# Altium PCB mppt.PcbDoc (part 3 of 5) (continued)
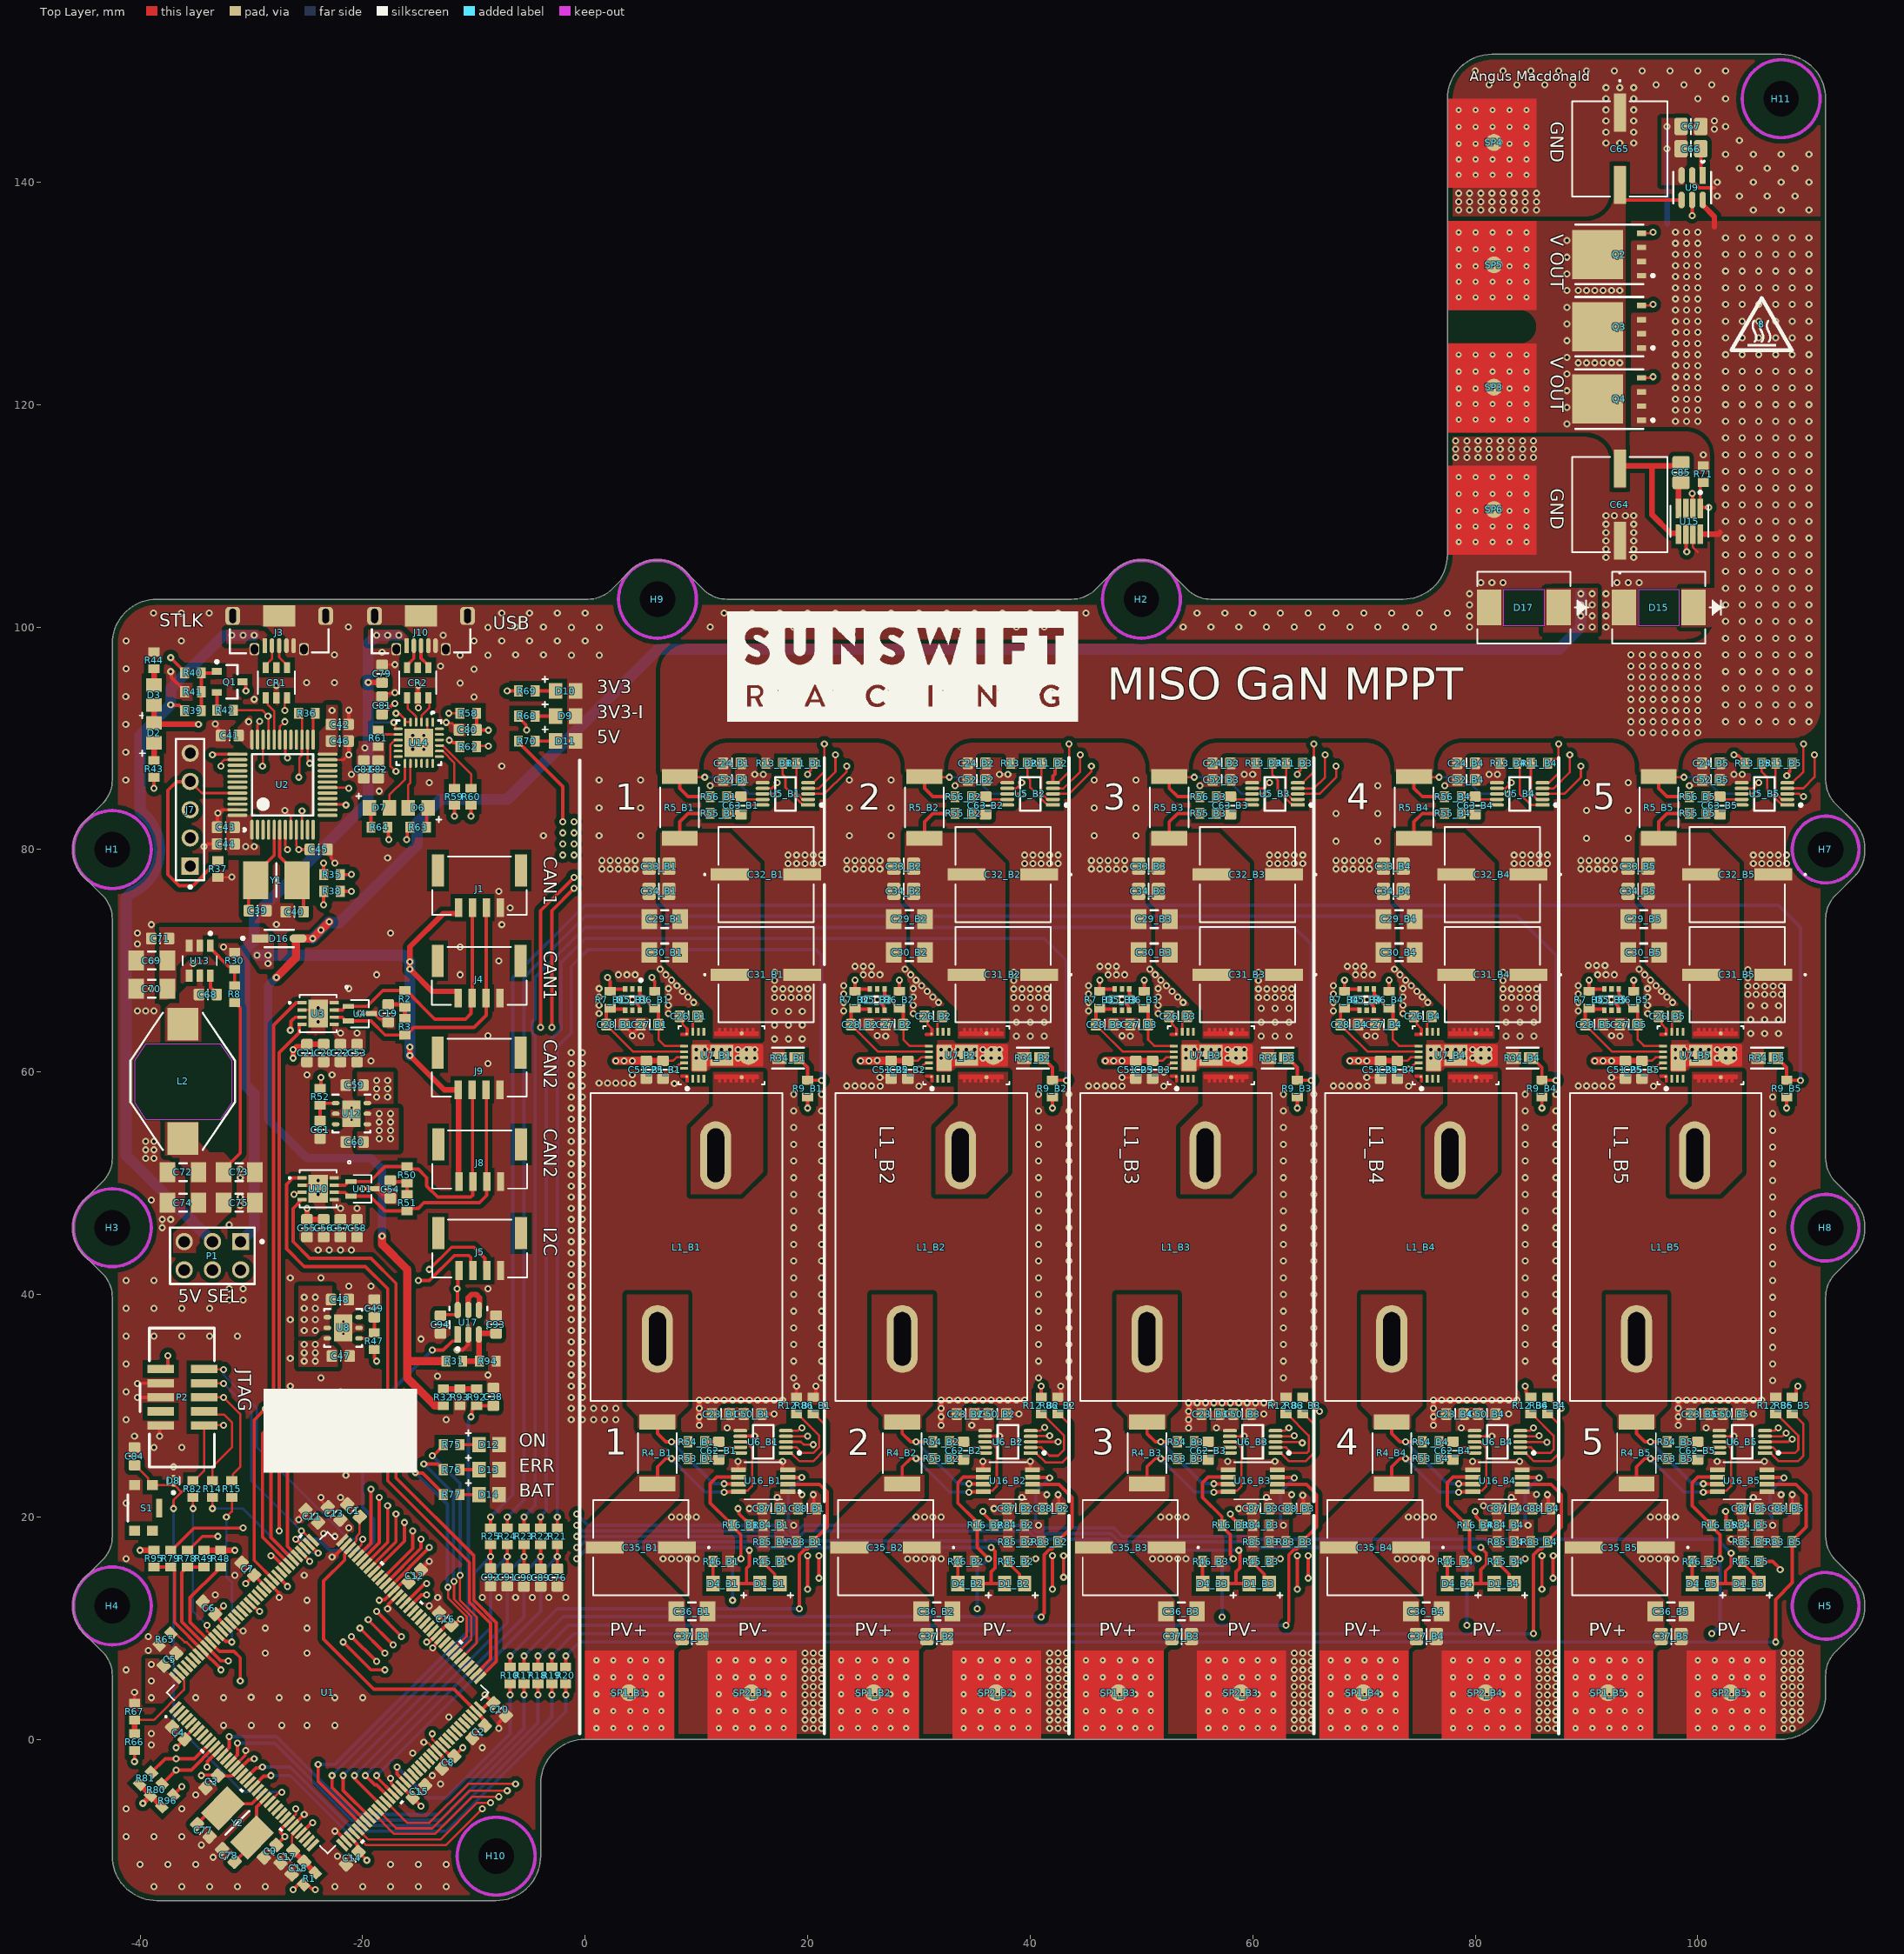
[diagram p0: Top Layer view]
## Nets (pads, with @x,y where several pads share a name; then routed paths per layer and width w, separated by ;. In a path a pad name is that pad's centre, name@x,y a point inside that pad or via, vN(x,y) a via of type N, cw(c..) or ccw(c..) an arc to the next point about the centre after c; other vN are vias at no path point) (continued)
  Top Layer w0.5: v1(10.25,28.25) v1(10.25,30.5) v1(11,30.5) v1(11.75,30.5) v1(12.5,30.5) v1(13.25,30.5) v1(14,30.5) v1(14.75,30.5) v1(15.5,30.5) v1(16.25,30.5) v1(17,30.5) v1(17.75,30.5) ; v1(32,28.25) v1(32,30.5) v1(32.75,30.5) v1(33.5,30.5) v1(34.25,30.5) v1(35,30.5) v1(35.75,30.5) v1(36.5,30.5) v1(37.25,30.5) v1(38,30.5) v1(38.75,30.5) v1(39.5,30.5) ; v1(54.25,28) v1(54.25,30.25) v1(55,30.25) v1(55.75,30.25) v1(56.5,30.25) v1(57.25,30.25) v1(58,30.25) v1(58.75,30.25) v1(59.5,30.25) v1(60.25,30.25) v1(61,30.25) v1(61.75,30.25) ; v1(76.25,28.25) v1(76.25,30.5) v1(77,30.5) v1(77.75,30.5) v1(78.5,30.5) v1(79.25,30.5) v1(80,30.5) v1(80.75,30.5) v1(81.5,30.5) v1(82.25,30.5) v1(83,30.5) v1(83.75,30.5) ; v1(98.25,28.25) v1(98.25,30.5) v1(99,30.5) v1(99.75,30.5) v1(100.5,30.5) v1(101.25,30.5) v1(102,30.5) v1(102.75,30.5) v1(103.5,30.5) v1(104.25,30.5) v1(105,30.5) v1(105.75,30.5)
  other v1: -38.75,-13.25 -36.25,-13.25 -33.75,-13.25 -31.25,-13.25 -28.75,-13.25 -22.5,-13.25 -20,-13.25 -17.5,-13.25 -15,-13.25 -12.5,-13.25 -40,-11.25 -37.5,-11.25 -35,-11.25 -17.5,-11.25 -15,-11.25 -12.5,-11.25 -33.432,-10.602 -22.25,-10.5 -34.5,-9.5 -41.25,-8.75 -38.75,-8.75 -36.25,-8.75 -41.25,-6.25 -36.25,-6.25 -35,-5 -13,-4 -13.75,-3.25 -15.5,-1.25 -9.25,-0.75 -39,-0.5 -39,0.525 19.75,1 20.5,1 21.25,1 41.75,1 42.5,1 43.25,1 63.75,1 64.5,1 65.25,1 85.75,1 86.5,1 87.25,1 107.75,1 108.5,1 -32.5,1.25 -30,1.25 -27.25,1.25 -25,1.25 -22.5,1.25 19.75,1.75 20.5,1.75 21.25,1.75 41.75,1.75 42.5,1.75 43.25,1.75 63.75,1.75 64.5,1.75 65.25,1.75 85.75,1.75 86.5,1.75 87.25,1.75 107.75,1.75 108.5,1.75 109.25,1.75 -12.25,2 19.75,2.5 20.5,2.5 21.25,2.5 41.75,2.5 42.5,2.5 43.25,2.5 63.75,2.5 64.5,2.5 65.25,2.5 85.75,2.5 86.5,2.5 87.25,2.5 107.75,2.5 108.5,2.5 109.25,2.5 19.75,3.25 20.5,3.25 21.25,3.25 41.75,3.25 42.5,3.25 43.25,3.25 63.75,3.25 64.5,3.25 65.25,3.25 85.75,3.25 86.5,3.25 87.25,3.25 107.75,3.25 108.5,3.25 109.25,3.25 -35,3.75 -32.5,3.75 -27.5,3.75 -25,3.75 -22.5,3.75 -20,3.75 -30.022,3.784 19.75,4 20.5,4 21.25,4 41.75,4 42.5,4 43.25,4 63.75,4 64.5,4 65.25,4 85.75,4 86.5,4 87.25,4 107.75,4 108.5,4 109.25,4 19.75,4.75 20.5,4.75 21.25,4.75 41.75,4.75 42.5,4.75 43.25,4.75 63.75,4.75 64.5,4.75 65.25,4.75 85.75,4.75 86.5,4.75 87.25,4.75 107.75,4.75 108.5,4.75 109.25,4.75 19.75,5.5 20.5,5.5 21.25,5.5 41.75,5.5 42.5,5.5 43.25,5.5 63.75,5.5 64.5,5.5 65.25,5.5 85.75,5.5 86.5,5.5 87.25,5.5 107.75,5.5 108.5,5.5 109.25,5.5 -41.25,6.25 19.75,6.25 20.5,6.25 21.25,6.25 41.75,6.25 42.5,6.25 43.25,6.25 63.75,6.25 64.5,6.25 65.25,6.25 85.75,6.25 86.5,6.25 87.25,6.25 107.75,6.25 108.5,6.25 109.25,6.25 19.75,7 20.5,7 21.25,7 41.75,7 42.5,7 43.25,7 63.75,7 64.5,7 65.25,7 85.75,7 86.5,7 87.25,7 107.75,7 108.5,7 109.25,7 -28.75,7.75 -25,7.75 19.75,7.75 20.5,7.75 21.25,7.75 41.75,7.75 42.5,7.75 43.25,7.75 63.75,7.75 64.5,7.75 65.25,7.75 85.75,7.75 86.5,7.75 87.25,7.75 107.75,7.75 108.5,7.75 109.25,7.75 -39.25,8 -39.25,9.25 -28.75,10 -25,10 -14,12 -25,12.5 -13.25,12.75 -9.25,12.75 -7.75,12.75 -6.25,12.75 -4.75,12.75 -3.25,12.75 -1.75,12.75 -33.25,13 -31.5,14.75 -25.25,14.75 -41.25,16.25 7,16.25 7.75,16.25 8.5,16.25 9.25,16.25 10,16.25 29,16.25 29.75,16.25 30.5,16.25 31.25,16.25 32,16.25 51,16.25 51.75,16.25 52.5,16.25 53.25,16.25 54,16.25 73,16.25 73.75,16.25 74.5,16.25 75.25,16.25 76,16.25 95,16.25 95.75,16.25 96.5,16.25 97.25,16.25 98,16.25 7.75,20 8.5,20 9.25,20 10,20 29.75,20 30.5,20 31.25,20 32,20 51.75,20 52.5,20 53.25,20 54,20 74,20 74.75,20 75.5,20 76.25,20 95.75,20 96.5,20 97.25,20 98,20 14.75,20.75 -41.25,21.25 -21.5,23.75 -37,24.5 57.75,25 62,25 79.75,25 84,25 101.75,25 106,25 -38.75,26.25 -36.25,26.25 -19,27 -40.5,27.25 -25.5,28.25 -41.25,28.75 -12.5,28.75 -1.25,28.75 -0.25,28.75 0.75,28.75 1.75,28.75 2.75,28.75 54.25,28.75 10.25,29 32,29 76.25,29 98.25,29 61,29.25 83,29.25 105,29.25 -1.25,29.75 -0.25,29.75 0.75,29.75 1.75,29.75 2.75,29.75 -15.75,30 -1.25,30.75 -0.25,30.75 -41.25,31.25 -22,31.25 -26.5,31.75 -1.25,31.75 -0.25,31.75 106.75,32.25 -23.75,32.5 18.75,32.5 21.25,32.5 40.75,32.5 43.5,32.5 62.75,32.5 65.5,32.5 87.25,32.5 -13.271,32.654 -8.75,32.75 -1.25,32.75 -0.25,32.75 -41.25,33.75 -1.25,33.75 -0.25,33.75 106.75,33.75 18.75,34 21.25,34 40.75,34 43.5,34 62.75,34 65.5,34 84.5,34 87.25,34 -26.5,34.25 -1.25,34.75 -0.25,34.75 106.75,35.25 18.75,35.5 21.25,35.5 40.75,35.5 43.5,35.5 62.75,35.5 65.5,35.5 84.5,35.5 87.25,35.5 -1.25,35.75 -0.25,35.75 -14.75,36 -41.25,36.25 -38.75,36.25 -36.25,36.25 -33.75,36.25 -31.25,36.25 -1.25,36.75 -0.25,36.75 106.75,36.75 18.75,37 21.25,37 40.75,37 43.5,37 62.75,37 65.5,37 84.5,37 87.25,37 -26.5,37.75 -1.25,37.75 -0.25,37.75 106.75,38.25 18.75,38.5 21.25,38.5 40.75,38.5 43.5,38.5 62.75,38.5 65.5,38.5 84.5,38.5 87.25,38.5 -41.25,38.75 -38.75,38.75 -36.25,38.75 -33.75,38.75 -1.25,38.75 -0.25,38.75 -32,39.5 -30.75,39.5 -1.25,39.75 -0.25,39.75 106.75,39.75 18.75,40 21.25,40 40.75,40 43.5,40 62.75,40 65.5,40 84.5,40 87.25,40 -32,40.5 -30.75,40.5 -8.75,40.5 -21.25,40.75 -19.25,40.75 -1.25,40.75 -0.25,40.75 -41.25,41.25 -38.75,41.25 106.75,41.25 -26.5,41.5 -23.75,41.5 18.75,41.5 21.25,41.5 40.75,41.5 43.5,41.5 62.75,41.5 65.5,41.5 84.5,41.5 87.25,41.5 -1.25,41.75 -0.25,41.75 -1.25,42.75 -0.25,42.75 106.75,42.75 18.75,43 21.25,43 40.75,43 43.5,43 62.75,43 65.5,43 84.5,43 87.25,43 -1.25,43.75 -0.25,43.75 -24,44 -23,44 -22,44 -21,44 106.75,44.25 18.75,44.5 21.25,44.5 40.75,44.5 43.5,44.5 62.75,44.5 65.5,44.5 84.5,44.5 87.25,44.5 -1.25,44.75 -0.25,44.75 -1.25,45.75 -0.25,45.75 106.75,45.75 -38,46 18.75,46 21.25,46 40.75,46 43.5,46 62.75,46 65.5,46 84.5,46 87.25,46 -32,46.25 -38,46.75 -37.25,46.75 -1.25,46.75 -0.25,46.75 106.75,47.25 18.75,47.5 21.25,47.5 40.75,47.5 43.5,47.5 62.75,47.5 65.5,47.5 84.5,47.5 87.25,47.5 -1.25,47.75 -0.25,47.75 -31,48 -39,48.5 -31,48.75 -1.25,48.75 -0.25,48.75 106.75,48.75 -24,49 18.75,49 21.25,49 40.75,49 43.5,49 62.75,49 65.5,49 84.5,49 87.25,49 -1.25,49.75 -0.25,49.75 -24,50.25 106.75,50.25 -31,50.5 18.75,50.5 21.25,50.5 40.75,50.5 43.5,50.5 62.75,50.5 65.5,50.5 84.5,50.5 87.25,50.5 -1.25,50.75 -0.25,50.75 -31,51.25 -1.25,51.75 -0.25,51.75 106.75,51.75 18.75,52 21.25,52 40.75,52 43.5,52 62.75,52 65.5,52 84.5,52 87.25,52 -39.5,52.25 -38.75,52.25 -1.25,52.75 -0.25,52.75 -39.5,53 -38.75,53 106.75,53.25 18.75,53.5 21.25,53.5 40.75,53.5 43.5,53.5 62.75,53.5 65.5,53.5 84.5,53.5 87.25,53.5 -39.5,53.75 -38.75,53.75 -1.25,53.75 -0.25,53.75 -1.25,54.75 -0.25,54.75 106.75,54.75 18.75,55 21.25,55 40.75,55 43.5,55 62.75,55 65.5,55 84.5,55 87.25,55 -1.25,55.75 -0.25,55.75 106.75,56.25 18.75,56.5 21.25,56.5 40.75,56.5 43.5,56.5 62.75,56.5 65.5,56.5 84.5,56.5 87.25,56.5 -1.25,56.75 -0.25,56.75 -1.25,57.75 -0.25,57.75 106.75,57.75 18.75,58 21.25,58 40.75,58 43.5,58 62.75,58 65.5,58 84.5,58 87.25,58 26.512,58.716 30.012,58.716 48.262,58.716 52.012,58.716 70.262,58.716 74.012,58.716 92.262,58.716 96.012,58.716 -1.25,58.75 -0.25,58.75 23.5,58.75 24.25,58.75 25,58.75 25.75,58.75 45.25,58.75 46,58.75 46.75,58.75 47.5,58.75 67.25,58.75 68,58.75 68.75,58.75 69.5,58.75 89.25,58.75 90,58.75 90.75,58.75 91.5,58.75 4.262,58.966 8.012,58.966 1.25,59 2,59 2.75,59 3.5,59 -25,59.75 -22.75,59.75 -1.25,59.75 -0.25,59.75 4.25,59.75 -8.75,60.75 -1.25,60.75 -0.25,60.75 -19.25,61 10,61.25 10.75,61.25 11.5,61.25 12.25,61.25 13,61.25 13.75,61.25 14.5,61.25 15.25,61.25 32,61.25 32.75,61.25 33.5,61.25 34.25,61.25 35,61.25 35.75,61.25 36.5,61.25 37.25,61.25 54,61.25 54.75,61.25 55.5,61.25 56.25,61.25 57,61.25 57.75,61.25 58.5,61.25 59.25,61.25 76,61.25 76.75,61.25 77.5,61.25 78.25,61.25 79,61.25 79.75,61.25 80.5,61.25 81.25,61.25 98,61.25 98.75,61.25 99.5,61.25 100.25,61.25 101,61.25 101.75,61.25 102.5,61.25 103.25,61.25 -1.25,61.75 -0.25,61.75 10,62 10.75,62 11.5,62 12.25,62 13,62 13.75,62 14.5,62 15.25,62 32,62 32.75,62 33.5,62 34.25,62 35,62 35.75,62 36.5,62 37.25,62 54,62 54.75,62 55.5,62 56.25,62 57,62 57.75,62 58.5,62 59.25,62 76,62 76.75,62 77.5,62 78.25,62 79,62 79.75,62 80.5,62 81.25,62 98,62 98.75,62 99.5,62 100.25,62 101,62 101.75,62 102.5,62 103.25,62 17.012,62.966 18.262,62.966 19.512,62.966 5.012,63.216 27.012,63.216 38.762,63.216 40.012,63.216 41.262,63.216 49.012,63.216 60.762,63.216 62.012,63.216 63.262,63.216 71.012,63.216 82.762,63.216 84.012,63.216 85.262,63.216 93.012,63.216 48.254,63.241 -8.75,63.25 26.25,63.25 70.25,63.25 92.25,63.25 104.762,63.466 106.012,63.466 107.262,63.466 17.012,64.216 18.262,64.216 19.512,64.216 38.762,64.466 40.012,64.466 41.262,64.466 60.762,64.466 62.012,64.466 63.262,64.466 82.762,64.466 84.012,64.466 85.262,64.466 -24,64.5 104.762,64.716 106.012,64.716 107.262,64.716 1.25,65.25 7.5,65.25 29.5,65.25 51.5,65.25 73.5,65.25 95.5,65.25 17.012,65.466 18.262,65.466 19.512,65.466 -40.25,65.5 -39.5,65.5 -38.75,65.5 23.25,65.5 45.25,65.5 67.25,65.5 89.25,65.5 38.762,65.716 40.012,65.716 41.262,65.716 60.762,65.716 62.012,65.716 63.262,65.716 82.762,65.716 84.012,65.716 85.262,65.716 -24,65.75 104.762,65.966 106.012,65.966 107.262,65.966 1.25,66 7.5,66 29.5,66 51.5,66 73.5,66 95.5,66 9.75,66.25 23.25,66.25 31.75,66.25 45.25,66.25 53.75,66.25 67.25,66.25 75.75,66.25 89.25,66.25 97.75,66.25 17.012,66.716 17.762,66.716 18.512,66.716 19.262,66.716 20.012,66.716 38.512,66.716 39.262,66.716 40.012,66.716 40.762,66.716 41.512,66.716 60.512,66.716 61.262,66.716 62.012,66.716 62.762,66.716 63.512,66.716 82.512,66.716 83.262,66.716 84.012,66.716 84.762,66.716 85.512,66.716 1.25,66.75 7.5,66.75 9.25,66.75 29.5,66.75 31.25,66.75 51.5,66.75 53.25,66.75 73.5,66.75 75.25,66.75 95.5,66.75 97.25,66.75 104.512,66.966 105.262,66.966 106.012,66.966 106.762,66.966 107.512,66.966 23.25,67 45.25,67 67.25,67 89.25,67 8.75,67.25 30.75,67.25 52.75,67.25 74.75,67.25 96.75,67.25 17.012,67.466 17.762,67.466 18.512,67.466 19.262,67.466 20.012,67.466 38.512,67.466 39.262,67.466 40.012,67.466 40.762,67.466 41.512,67.466 60.512,67.466 61.262,67.466 62.012,67.466 62.762,67.466 63.512,67.466 82.512,67.466 83.262,67.466 84.012,67.466 84.762,67.466 85.512,67.466 -39,67.5 -21.25,67.5 1.25,67.5 7.5,67.5 29.5,67.5 51.5,67.5 73.5,67.5 95.5,67.5 104.512,67.716 105.262,67.716 106.012,67.716 106.762,67.716 107.512,67.716 8.25,67.75 23.25,67.75 30.25,67.75 45.25,67.75 52.25,67.75 67.25,67.75 74.25,67.75 89.25,67.75 96.25,67.75 17.012,68.216 38.512,68.216 60.512,68.216 82.512,68.216 7.75,68.25 29.75,68.25 51.75,68.25 73.75,68.25 95.75,68.25 104.512,68.466 -18.75,68.75 -11.25,68.75 3,68.75 3.75,68.75 4.5,68.75 7.25,68.75 25,68.75 25.75,68.75 26.5,68.75 29.25,68.75 47,68.75 47.75,68.75 48.5,68.75 51.25,68.75 69.25,68.75 70,68.75 70.75,68.75 73.25,68.75 91,68.75 91.75,68.75 92.5,68.75 95.25,68.75 17.012,68.966 38.512,68.966 60.512,68.966 82.512,68.966 104.512,69.216 6.75,69.25 28.75,69.25 50.75,69.25 72.75,69.25 94.75,69.25 24.25,69.5 25,69.5 25.75,69.5 46.25,69.5 47,69.5 47.75,69.5 68.5,69.5 69.25,69.5 70,69.5 90.168,69.576 90.918,69.576 91.668,69.576 -35.25,69.75 -39,70 -7.75,70 -32.5,71.25 -11.25,71.25 -40.25,71.5 -40.25,72.5 -17.5,72.5 -39,73.25 -7.5,73.25 -27.75,73.275 -6.75,74.75 -7.75,76.25 1.5,78.25 2.25,78.25 3,78.25 3.75,78.25 4.5,78.25 23.5,78.25 24.25,78.25 25,78.25 25.75,78.25 26.5,78.25 45.5,78.25 46.25,78.25 47,78.25 47.75,78.25 48.5,78.25 67.5,78.25 68.25,78.25 69,78.25 69.75,78.25 70.5,78.25 89.5,78.25 90.25,78.25 91,78.25 91.75,78.25 92.5,78.25 18.25,78.75 19,78.75 19.75,78.75 20.5,78.75 21.25,78.75 39.5,78.75 40.25,78.75 41,78.75 41.75,78.75 42.5,78.75 61.5,78.75 62.25,78.75 63,78.75 63.75,78.75 64.5,78.75 83.5,78.75 84.25,78.75 85,78.75 85.75,78.75 86.5,78.75 105,78.75 105.75,78.75 106.5,78.75 107.25,78.75 108,78.75 1.5,79 2.25,79 3,79 3.75,79 4.5,79 23.5,79 24.25,79 25,79 25.75,79 26.5,79 45.5,79 46.25,79 47,79 47.75,79 48.5,79 67.5,79 68.25,79 69,79 69.75,79 70.5,79 89.5,79 90.25,79 91,79 91.75,79 92.5,79 -17.75,79.25 18.25,79.5 19,79.5 19.75,79.5 20.5,79.5 21.25,79.5 39.5,79.5 40.25,79.5 41,79.5 41.75,79.5 42.5,79.5 61.5,79.5 62.25,79.5 63,79.5 63.75,79.5 64.5,79.5 83.5,79.5 84.25,79.5 85,79.5 85.75,79.5 86.5,79.5 105,79.5 105.75,79.5 106.5,79.5 107.25,79.5 108,79.5 67.5,80.75 71.25,80.75 90,81 93.75,81 -3.75,81.25 1.25,81.25 5,81.25 23.75,81.25 27.5,81.25 45.75,81.25 49.5,81.25 67.5,83.25 71.25,83.25 90,83.5 93.75,83.5 1.25,83.75 5,83.75 23.75,83.75 27.5,83.75 45.75,83.75 49.5,83.75 -18.5,85.25 11.25,85.75 33.25,85.75 55.25,85.75 71.25,85.75 77.25,85.75 99.25,85.75 -14,86 90,86 93.75,86 -41.282,86.255 1.25,86.25 5,86.25 23.75,86.25 27.5,86.25 45.75,86.25 49.5,86.25 -21,86.75 -7.5,87.5 -41.282,88.755 -14.5,89 -15.5,89.025 -15.5,90.25 -41.282,91.255 -15,92.75 -29.75,93.5 -9.988,93.716 -41.282,93.755 -27.75,94.75 -11.238,94.966 -25.032,95.005 -22.532,95.005 -9.988,96.216 -41.25,96.25 -13,96.5 -11.238,97.466 -8.738,97.466 -1.238,97.466 1.262,97.466 -22.532,97.505 -6.25,97.5 -3.75,97.5 -18.25,97.75 -41.25,98.75 -10,98.75 -7.5,98.75 -5,98.75 -2.5,98.75 0,98.75 -36.282,98.755 -12.75,99.25 -8.738,99.966 -1.238,99.966 1.262,99.966 16.262,99.966 18.762,99.966 21.262,99.966 -21.282,100.005 -6.25,100 -3.75,100 11.25,100 13.75,100 23.75,100 26.25,100 28.75,100 31.25,100 33.75,100 36.25,100 38.75,100 41.25,100 43.75,100 53.75,100 56.25,100 58.75,100 61.25,100 63.75,100 66.25,100 68.75,100 71.25,100 73.75,100 76.25,100 79.5,100 91.75,100 79.5,101 91.75,101 -38.782,101.255 -36.282,101.255 -33.782,101.255 -7.5,101.25 -5,101.25 -2.5,101.25 0,101.25 12.5,101.25 15,101.25 17.5,101.25 20,101.25 22.5,101.25 25,101.25 27.5,101.25 30,101.25 32.5,101.25 35,101.25 37.5,101.25 40,101.25 42.5,101.25 45,101.25 55,101.25 57.5,101.25 60,101.25 62.5,101.25 65,101.25 67.5,101.25 70,101.25 72.5,101.25 75,101.25 77.5,101.25 79.5,102 91.75,102 79.5,103 91.75,103 80.5,104 81.5,104 82.5,104 92.75,104 93.75,104 94.75,104 91.75,106.25 94.25,106.25 91.75,107 94.25,107 91.75,107.75 94.25,107.75 91.75,108.5 94.25,108.5 91.75,109.25 94.25,109.25 91.75,110 92.5,110 93.5,110 94.25,110 78.25,115.25 79.25,115.25 80.25,115.25 81.25,115.25 82.25,115.25 83.25,115.25 84.25,115.25 85.25,115.25 100.5,115.5 78.25,116 79.25,116 80.25,116 81.25,116 82.25,116 83.25,116 84.25,116 85.25,116 78.25,116.75 79.25,116.75 80.25,116.75 81.25,116.75 82.25,116.75 83.25,116.75 84.25,116.75 85.25,116.75 78.5,137.5 79.5,137.5 80.5,137.5 81.5,137.5 82.5,137.5 83.5,137.5 84.5,137.5 85.5,137.5 105,137.5 107.5,137.5 110,137.5 78.5,138.25 79.5,138.25 80.5,138.25 81.5,138.25 82.5,138.25 83.5,138.25 84.5,138.25 85.5,138.25 101.75,138.75 103.75,138.75 106.25,138.75 108.75,138.75 78.5,139 79.5,139 80.5,139 81.5,139 82.5,139 83.5,139 84.5,139 85.5,139 101.75,140 105,140 107.5,140 110,140 103.75,141.25 106.25,141.25 108.75,141.25 102.5,142.5 105,142.5 107.5,142.5 110,142.5 91.75,143.5 93,143.5 94.25,143.5 103.75,143.75 91.75,144.5 94.25,144.5 101.5,144.75 102.5,145 91.75,145.5 94.25,145.5 101.5,145.5 91.75,146.5 94.25,146.5 91.75,147.5 94.25,147.5 100,147.5 102.5,147.5 91.75,148.5 93,148.5 94.25,148.5 81.25,148.75 83.75,148.75 86.25,148.75 88.75,148.75 96.25,148.75 98.75,148.75 101.25,148.75 80,150 82.5,150 85,150 87.5,150 90,150 92.5,150 95,150 97.5,150 100,150 102.5,150
  other v2: 12.016,1.016 13.531,1.018 15.055,1.018 16.452,1.018 17.849,1.018 34.016,1.016 35.531,1.018 37.055,1.018 38.452,1.018 39.849,1.018 56.016,1.016 57.531,1.018 59.055,1.018 60.452,1.018 61.849,1.018 78.016,1.016 79.531,1.018 81.055,1.018 82.452,1.018 83.849,1.018 100.016,1.016 101.531,1.018 103.055,1.018 104.452,1.018 105.849,1.018 12.016,2.54 13.531,2.542 15.055,2.542 16.452,2.542 17.849,2.542 34.016,2.54 35.531,2.542 37.055,2.542 38.452,2.542 39.849,2.542 56.016,2.54 57.531,2.542 59.055,2.542 60.452,2.542 61.849,2.542 78.016,2.54 79.531,2.542 81.055,2.542 82.452,2.542 83.849,2.542 100.016,2.54 101.531,2.542 103.055,2.542 104.452,2.542 105.849,2.542 12.016,4.064 13.531,4.066 15.055,4.066 16.452,4.066 17.849,4.066 34.016,4.064 35.531,4.066 37.055,4.066 38.452,4.066 39.849,4.066 56.016,4.064 57.531,4.066 59.055,4.066 60.452,4.066 61.849,4.066 78.016,4.064 79.531,4.066 81.055,4.066 82.452,4.066 83.849,4.066 100.016,4.064 101.531,4.066 103.055,4.066 104.452,4.066 105.849,4.066 12.016,5.588 13.531,5.59 15.055,5.59 16.452,5.59 17.849,5.59 34.016,5.588 35.531,5.59 37.055,5.59 38.452,5.59 39.849,5.59 56.016,5.588 57.531,5.59 59.055,5.59 60.452,5.59 61.849,5.59 78.016,5.588 79.531,5.59 81.055,5.59 82.452,5.59 83.849,5.59 100.016,5.588 101.531,5.59 103.055,5.59 104.452,5.59 105.849,5.59 12.016,7.112 13.531,7.114 15.055,7.114 16.452,7.114 17.849,7.114 34.016,7.112 35.531,7.114 37.055,7.114 38.452,7.114 39.849,7.114 56.016,7.112 57.531,7.114 59.055,7.114 60.452,7.114 61.849,7.114 78.016,7.112 79.531,7.114 81.055,7.114 82.452,7.114 83.849,7.114 100.016,7.112 101.531,7.114 103.055,7.114 104.452,7.114 105.849,7.114 78.518,107.651 80.042,107.651 81.566,107.651 83.09,107.651 84.614,107.651 78.518,109.048 80.042,109.048 81.566,109.048 83.09,109.048 84.614,109.048 78.518,110.445 80.042,110.445 81.566,110.445 83.09,110.445 84.614,110.445 78.518,111.969 80.042,111.969 81.566,111.969 83.09,111.969 84.614,111.969 78.516,113.484 80.04,113.484 81.564,113.484 83.088,113.484 84.612,113.484 78.518,140.651 80.042,140.651 81.566,140.651 83.09,140.651 84.614,140.651 78.518,142.048 80.042,142.048 81.566,142.048 83.09,142.048 84.614,142.048 78.518,143.445 80.042,143.445 81.566,143.445 83.09,143.445 84.614,143.445 78.518,144.969 80.042,144.969 81.566,144.969 83.09,144.969 84.614,144.969 78.516,146.484 80.04,146.484 81.564,146.484 83.088,146.484 84.612,146.484
  other v3: -21.75,36.45 -21.75,37.55 -21,55.7 -21,56.8
HI_1: D5_B1.6 R6_B1.2 U1.97 | length 75.2
  Top Layer w0.3: U1.97@-17.935,14.011 -14.75,17.196 v1(-14.75,18) ; v1(4.25,66.5) 4.85,65.9 4.85,65.6 D5_B1.6@4.9,65.55 ; v1(6,68.5) 6,68.409 6.25,68.159 R6_B1.2@6.25,67.25
  Layer 2 w0.3: v1(-14.75,18) -14.75,18.75 -6,27.5 -6,64.5 -1,69.5 5,69.5 v1(6,68.5) 4.314,66.814 4.314,66.564 v1(4.25,66.5)
HI_2: D5_B2.6 R6_B2.2 U1.100 | length 99.4
  Top Layer w0.3: U1.100@-18.996,15.072 -16.25,17.818 v1(-16.25,19.5) ; v1(26.25,66.5) 26.85,65.9 26.85,65.6 D5_B2.6@26.9,65.55 ; R6_B2.2@28.25,67.25 v1(28.25,68.25)
  Layer 2 w0.3: v1(-16.25,19.5) -16.25,20.75 -8,29 -8,64.5 -1,71.5 25,71.5 v1(28.25,68.25) 26.564,66.564 26.314,66.564 v1(26.25,66.5)
HI_3: D5_B3.6 R6_B3.2 U1.102 | length 123.8
  Top Layer w0.3: U1.102@-19.703,15.779 -17.75,17.732 v1(-17.75,21) ; v1(48.25,66.5) 48.85,65.9 48.85,65.6 D5_B3.6@48.9,65.55 ; R6_B3.2@50.25,67.25 v1(50.25,68.25)
  Layer 2 w0.3: v1(-17.75,21) -17.75,22.5 -10.25,30 -10.25,64.25 -1,73.5 45,73.5 v1(50.25,68.25) 48.564,66.564 48.314,66.564 v1(48.25,66.5)
HI_4: D5_B4.6 R6_B4.2 U1.104 | length 148.3
  Top Layer w0.3: U1.104@-20.41,16.486 -19.25,17.646 v1(-19.25,22.5) ; v1(70.25,66.5) 70.85,65.9 70.85,65.6 D5_B4.6@70.9,65.55 ; R6_B4.2@72.25,67.25 v1(72.25,68.25)
  Layer 2 w0.3: v1(-19.25,22.5) -19.25,25 -12.25,32 -12.25,64.25 -1,75.5 65,75.5 v1(72.25,68.25) 70.564,66.564 70.314,66.564 v1(70.25,66.5)
HI_5: D5_B5.6 R6_B5.2 U1.92 | length 175.7
  Top Layer w0.3: U1.92@-16.167,12.243 -14.475,13.936 -14.314,13.936 v1(-14.25,14) ; v1(-4,64) -4,74.5 v1(-1,77.5) ; v1(92.25,66.5) 92.85,65.9 92.85,65.6 D5_B5.6@92.9,65.55 ; R6_B5.2@94.25,67.25 v1(94.25,68.25)
  Layer 2 w0.3: v1(-14.25,14) -13,15.25 -13,17.75 -4,26.75 v1(-4,64) ; v1(-1,77.5) 85,77.5 v1(94.25,68.25) 92.564,66.564 92.314,66.564 v1(92.25,66.5)
HI_IN_B1: C27_B1.2 D5_B1.1 R6_B1.1 U7_B1.12 | length 7.9
  Top Layer w0.203: C27_B1.2@6.6,64.25 6.6,62.9 7.152,62.348 8.877,62.348 U7_B1.12@8.9,62.325
  Top Layer w0.3: D5_B1.1@4.9,67.45 4.918,67.432 4.918,66.982 6.15,65.75 6.35,65.75 6.6,65.5 C27_B1.2@6.6,64.25
HI_IN_B2: C27_B2.2 D5_B2.1 R6_B2.1 U7_B2.12 | length 7.9
  Top Layer w0.203: C27_B2.2@28.6,64.25 28.6,62.9 29.152,62.348 30.877,62.348 U7_B2.12@30.9,62.325
  Top Layer w0.3: D5_B2.1@26.9,67.45 26.918,67.432 26.918,66.982 28.15,65.75 28.35,65.75 28.6,65.5 C27_B2.2@28.6,64.25
HI_IN_B3: C27_B3.2 D5_B3.1 R6_B3.1 U7_B3.12 | length 7.9
  Top Layer w0.203: C27_B3.2@50.6,64.25 50.6,62.9 51.152,62.348 52.877,62.348 U7_B3.12@52.9,62.325
  Top Layer w0.3: D5_B3.1@48.9,67.45 48.918,67.432 48.918,66.982 50.15,65.75 50.35,65.75 50.6,65.5 C27_B3.2@50.6,64.25
HI_IN_B4: C27_B4.2 D5_B4.1 R6_B4.1 U7_B4.12 | length 7.9
  Top Layer w0.203: C27_B4.2@72.6,64.25 72.6,62.9 73.152,62.348 74.877,62.348 U7_B4.12@74.9,62.325
  Top Layer w0.3: D5_B4.1@70.9,67.45 70.918,67.432 70.918,66.982 72.15,65.75 72.35,65.75 72.6,65.5 C27_B4.2@72.6,64.25
HI_IN_B5: C27_B5.2 D5_B5.1 R6_B5.1 U7_B5.12 | length 7.9
  Top Layer w0.203: C27_B5.2@94.6,64.25 94.6,62.9 95.152,62.348 96.877,62.348 U7_B5.12@96.9,62.325
  Top Layer w0.3: D5_B5.1@92.9,67.45 92.918,67.432 92.918,66.982 94.15,65.75 94.35,65.75 94.6,65.5 C27_B5.2@94.6,64.25
I_IND_1: R10.1 R83_B1.2 U16_B1.2 | length 44.2
  Top Layer w0.3: R10.1@-6.75,6.5 v1(-6.75,7.5) ; U16_B1.2@18.217,22.926 21.074,22.926 21.75,22.25 21.75,19.1 20.5,17.85 R83_B1.2@20.5,17.75 20.5,17.65 19.945,17.094 19.754,17.094 19.25,16.591 v1(19.25,11.75)
  Bottom Layer w0.3: v1(-6.75,7.5) -2.5,11.75 -1,11.75 v1(19.25,11.75)
I_IND_2: R17.1 R83_B2.2 U16_B2.2 | length 65
  Top Layer w0.3: R17.1@-5.5,6.5 v1(-5.5,7.5) ; U16_B2.2@40.217,22.926 40.218,22.925 42.584,22.925 43.75,21.759 43.75,19.1 42.5,17.85 R83_B2.2@42.5,17.75 42.5,17.65 41.945,17.094 41.754,17.094 41.25,16.591 41.25,11.341 41,11.091 v1(41,11)
  Bottom Layer w0.3: v1(-5.5,7.5) -1.95,11.05 40.95,11.05 v1(41,11)
I_IND_3: R18.1 R83_B3.2 U16_B3.2 | length 86.3
  Top Layer w0.3: R18.1@-4.25,6.5 v1(-4.25,7.5) ; U16_B3.2@62.217,22.926 U16_B3.2@62.216,22.925 64.825,22.925 65.75,22 65.75,19.1 64.5,17.85 R83_B3.2@64.5,17.75 64.5,17.65 63.945,17.094 63.754,17.094 63.25,16.591 63.25,10.591 63,10.341 v1(63,10.25)
  Bottom Layer w0.3: v1(-4.25,7.5) -1.5,10.25 v1(63,10.25)
I_IND_4: R19.1 R83_B4.2 U16_B4.2 | length 107.6
  Top Layer w0.3: R19.1@-3,6.5 v1(-3,7.5) ; U16_B4.2@84.217,22.926 84.218,22.925 86.825,22.925 87.75,22 87.75,19.1 86.5,17.85 R83_B4.2@86.5,17.75 86.5,17.65 85.945,17.094 85.754,17.094 85.25,16.591 v1(85.25,9.5)
  Bottom Layer w0.3: v1(-3,7.5) -1,9.5 v1(85.25,9.5)
I_IND_5: R20.1 R83_B5.2 U16_B5.2 | length 128.6
  Top Layer w0.3: R20.1@-1.75,6.5 v1(-1.75,7.5) ; U16_B5.2@106.217,22.926 106.218,22.925 108.825,22.925 109.75,22 109.75,19.1 108.5,17.85 R83_B5.2@108.5,17.75 108.5,14.075 107,12.575 v1(107,8.75)
  Bottom Layer w0.3: v1(-1.75,7.5) -0.5,8.75 v1(107,8.75)